# Altium PCB PCB2.PcbDoc (part 12 of 16) (continued)
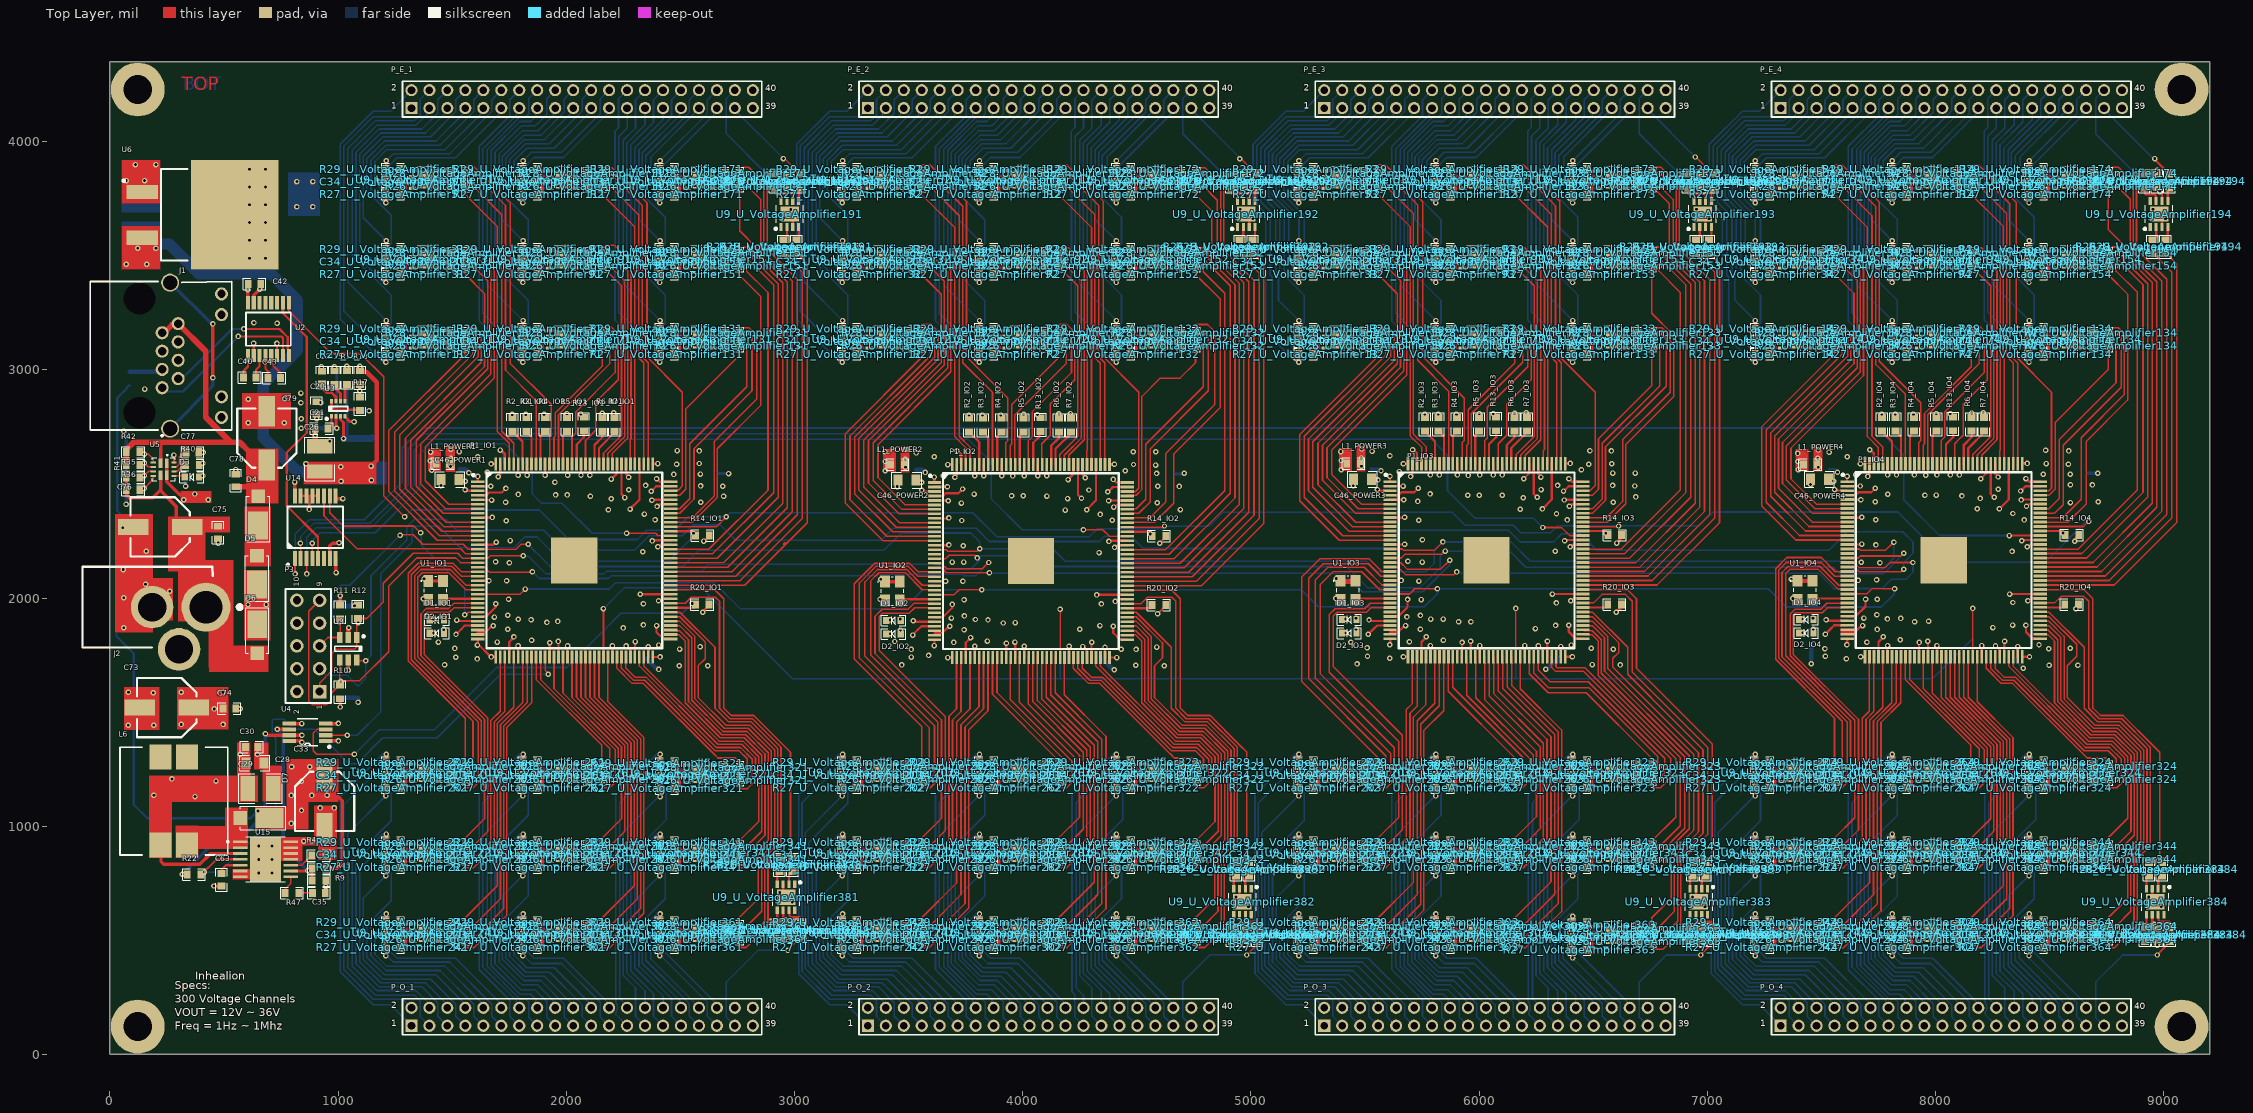
[diagram p0: Top Layer view]
## Nets (pads, with @x,y where several pads share a name; then routed paths per layer and width w, separated by ;. In a path a pad name is that pad's centre, name@x,y a point inside that pad or via, vN(x,y) a via of type N, cw(c..) or ccw(c..) an arc to the next point about the centre after c; other vN are vias at no path point) (continued)
  Bottom Layer w7: v1@1209.63,968.54 1206.38,965.29 1196.03,965.29 1078.3,847.56 1078.3,397.31 1179.54,296.07 1367.52,296.07 1437.07,226.51 1437.07,167.26 P_O_1.5@1478.74,125.59
V_OUT45: P_O_1.6 R27_U_VoltageAmplifier231.2 | length 1049.9
  Bottom Layer w7: R27_U_VoltageAmplifier231.2@1210.09,932 1210.09,929.5 1094.76,814.17 1094.76,405.11 1186.31,313.56 1383.33,313.56 1466.43,230.45 1466.43,229.13 1478.74,216.82 P_O_1.6@1478.74,204.33
V_OUT46: P_O_1.8 R29_U_VoltageAmplifier231.2 | length 982.6
  Bottom Layer w7: R29_U_VoltageAmplifier231.2@1210.09,822 1210.09,819.5 1233.05,796.54 1233.05,673.78 1125.95,566.68 1125.95,425.9 1203.33,348.52 1429.28,348.52 1548.65,229.14 1548.65,213.16 P_O_1.8@1557.48,204.33
V_OUT47: P_O_1.11 R27_U_VoltageAmplifier241.2 | length 700.2
  Top Layer w10: v1(1209.63,432.64) 1209.63,468.72 R27_U_VoltageAmplifier241.2@1210.09,469.18
  Bottom Layer w7: v1@1210.55,435.46 1240.93,405.07 1487.91,405.07 1673.3,219.69 1673.3,167.26 P_O_1.11@1714.96,125.59
V_OUT48: P_O_1.9 R29_U_VoltageAmplifier241.2 | length 905.7
  Top Layer w10: R29_U_VoltageAmplifier241.2@1210.09,579.18 1210.55,579.64 v1(1210.55,615.72)
  Bottom Layer w7: v1@1209.63,618.54 1206.38,615.29 1196.03,615.29 1144.14,563.4 1144.14,432.83 1209.43,367.54 1446.7,367.54 1594.56,219.69 1594.56,167.26 P_O_1.9@1636.22,125.59
V_OUT49: P_O_1.10 R27_U_VoltageAmplifier251.2 | length 744.5
  Bottom Layer w7: R27_U_VoltageAmplifier251.2@1210.09,582 1210.09,579.5 1161.46,530.88 1161.46,438.03 1212.42,387.08 1468.64,387.08 1624.59,231.13 1624.59,228.45 1636.22,216.82 P_O_1.10@1636.22,204.33
V_OUT50: P_O_1.12 R29_U_VoltageAmplifier251.2 | length 627.1
  Bottom Layer w7: R29_U_VoltageAmplifier251.2@1210.09,472 1210.09,469.5 1257.9,421.69 1514.49,421.69 1706.13,230.04 1706.13,213.16 P_O_1.12@1714.96,204.33
V_OUT51: P_O_1.15 R27_U_VoltageAmplifier261.2 | length 1216.5
  Top Layer w10: v1(1809.63,1132.64) 1809.63,1168.72 R27_U_VoltageAmplifier261.2@1810.09,1169.18
  Bottom Layer w7: v1@1810.55,1135.46 1654.17,979.08 1654.17,385.4 1796.31,243.25 1821.41,243.25 1835.37,229.3 1835.37,162.67 P_O_1.15@1872.44,125.59
V_OUT52: P_O_1.13 R29_U_VoltageAmplifier261.2 | length 1387.9
  Top Layer w10: R29_U_VoltageAmplifier261.2@1810.09,1279.18 1810.55,1279.64 v1(1810.55,1315.72)
  Bottom Layer w7: P_O_1.13@1793.7,125.59 1752.04,167.26 1752.04,237.31 1617.95,371.4 1617.95,1137.21 1796.03,1315.29 1806.38,1315.29 v1@1809.63,1318.54
V_OUT53: P_O_1.14 R27_U_VoltageAmplifier271.2 | length 1216.6
  Bottom Layer w7: P_O_1.14@1793.7,204.33 1793.7,216.82 1781.41,229.11 1781.41,235.99 1634.21,383.19 1634.21,1103.62 1810.09,1279.5 R27_U_VoltageAmplifier271.2@1810.09,1282
V_OUT54: P_O_1.16 R29_U_VoltageAmplifier271.2 | length 1145
  Bottom Layer w7: R29_U_VoltageAmplifier271.2@1810.09,1172 1810.09,1169.5 1833.05,1146.54 1833.05,1047.49 1671.17,885.61 1671.17,389.01 1797.02,263.16 1843.69,263.16 1865.44,241.41 P_O_1.16@1865.44,211.33
V_OUT55: P_O_1.19 R27_U_VoltageAmplifier281.2 | length 907.5
  Top Layer w10: v1(1809.63,782.64) 1809.63,818.72 R27_U_VoltageAmplifier281.2@1810.09,819.18
  Bottom Layer w7: v1@1810.55,785.46 1719.17,694.08 1719.17,417.63 1812.88,323.92 1888.55,323.92 1990.07,222.39 1990.07,165.44 P_O_1.19@2029.92,125.59
V_OUT56: P_O_1.17 R29_U_VoltageAmplifier281.2 | length 1081.8
  Top Layer w10: R29_U_VoltageAmplifier281.2@1810.09,929.18 1810.55,929.64 v1(1810.55,965.72)
  Bottom Layer w7: v1@1809.63,968.54 1806.38,965.29 1796.03,965.29 1687.43,856.69 1687.43,397.21 1802.17,282.48 1864.03,282.48 1913.78,232.72 1913.78,163 P_O_1.17@1951.18,125.59
V_OUT57: P_O_1.18 R27_U_VoltageAmplifier291.2 | length 913.3
  Bottom Layer w7: R27_U_VoltageAmplifier291.2@1810.09,932 1810.09,929.5 1705.17,824.58 1705.17,405.23 1806.03,304.37 1874.79,304.37 1943.79,235.37 1943.79,211.72 P_O_1.18@1951.18,204.33
V_OUT58: P_O_1.20 R29_U_VoltageAmplifier291.2 | length 842.6
  Bottom Layer w7: R29_U_VoltageAmplifier291.2@1810.09,822 1810.09,819.5 1833.05,796.54 1833.05,693.81 1734.74,595.51 1734.74,422.67 1815.05,342.36 1904.49,342.36 2017,229.85 2017,229.74 2029.92,216.82 P_O_1.20@2029.92,204.33
V_OUT59: P_O_1.23 R27_U_VoltageAmplifier301.2 | length 579.5
  Top Layer w10: v1(1809.63,432.64) 1809.63,468.72 R27_U_VoltageAmplifier301.2@1810.09,469.18
  Bottom Layer w7: v1@1810.55,435.46 1847.62,398.38 1978.69,398.38 2148.68,228.39 2148.68,164.31 P_O_1.23@2187.4,125.59
V_OUT60: P_O_1.21 R29_U_VoltageAmplifier301.2 | length 769.6
  Top Layer w10: R29_U_VoltageAmplifier301.2@1810.09,579.18 1810.55,579.64 v1(1810.55,615.72)
  Bottom Layer w7: v1@1809.63,618.54 1806.38,615.29 1796.03,615.29 1751,570.26 1751,430.87 1822.13,359.75 1926.94,359.75 2070.58,216.1 2070.58,163.67 P_O_1.21@2108.66,125.59
V_OUT61: P_O_1.22 R27_U_VoltageAmplifier311.2 | length 605.2
  Bottom Layer w7: R27_U_VoltageAmplifier311.2@1810.09,582 1810.09,579.5 1770.59,540 1770.59,435.11 1825.99,379.71 1947.5,379.71 2096.56,230.66 2096.56,228.92 2108.66,216.82 P_O_1.22@2108.66,204.33
V_OUT62: P_O_1.24 R29_U_VoltageAmplifier311.2 | length 499.7
  Bottom Layer w7: R29_U_VoltageAmplifier311.2@1810.09,472 1810.09,469.5 1858.67,420.92 1988,420.92 2178.57,230.35 2178.57,213.16 P_O_1.24@2187.4,204.33
V_OUT63: P_O_1.27 R27_U_VoltageAmplifier321.2 | length 1153.1
  Top Layer w10: v1(2410.8,1129.05) 2410.8,1165.13 R27_U_VoltageAmplifier321.2@2411.26,1165.59
  Bottom Layer w7: P_O_1.27@2344.88,125.59 2303.22,167.26 2303.22,291.39 2249.17,345.44 2249.17,974.08 v1@2410.55,1135.46
V_OUT64: P_O_1.25 R29_U_VoltageAmplifier321.2 | length 1339.6
  Top Layer w10: R29_U_VoltageAmplifier321.2@2410.55,1279.64 v1(2410.55,1315.72) ; R29_U_VoltageAmplifier321.2@2411.26,1275.59 R29_U_VoltageAmplifier321.2@2411.72,1276.05
  Bottom Layer w7: P_O_1.25@2266.14,125.59 2217.32,174.41 2217.32,182.43 ccw(c2187.4,204.33) 2224.48,204.33 ccw(c2179.5,204.33) 2215.79,230.89 2215.79,1135.06 2396.03,1315.29 2406.38,1315.29 v1@2409.63,1318.54
V_OUT65: P_O_1.26 R27_U_VoltageAmplifier331.2 | length 1161.3
  Bottom Layer w7: P_O_1.26@2266.14,204.33 2266.14,212.98 2234.12,245 2234.12,1103.54 R27_U_VoltageAmplifier331.2@2410.09,1279.5
V_OUT66: P_O_1.28 R29_U_VoltageAmplifier331.2 | length 1081.7
  Bottom Layer w7: P_O_1.28@2344.88,204.33 2344.88,277.7 2265.48,357.1 2265.48,856.21 2438.69,1029.42 2438.69,1140.9 R29_U_VoltageAmplifier331.2@2410.09,1169.5
V_OUT67: P_O_1.31 R27_U_VoltageAmplifier341.2 | length 811
  Top Layer w10: v1(2409.63,782.64) 2409.63,818.72 R27_U_VoltageAmplifier341.2@2410.09,819.18
  Bottom Layer w7: v1@2410.55,785.46 2318.31,693.22 2318.31,387.39 2460.7,245 2460.7,167.26 P_O_1.31@2502.36,125.59
V_OUT68: P_O_1.29 R29_U_VoltageAmplifier341.2 | length 996.8
  Top Layer w10: R29_U_VoltageAmplifier341.2@2410.09,929.18 2410.55,929.64 v1(2410.55,965.72)
  Bottom Layer w7: v1@2409.63,968.54 2406.38,965.29 2396.03,965.29 2282.57,851.84 2282.57,365.64 2381.96,266.26 2381.96,167.26 P_O_1.29@2423.62,125.59
V_OUT69: P_O_1.30 R27_U_VoltageAmplifier351.2 | length 824.8
  Bottom Layer w7: R27_U_VoltageAmplifier351.2@2410.09,932 2410.09,929.5 2299.66,819.08 2299.66,379.62 2423.62,255.66 P_O_1.30@2423.62,204.33
V_OUT70: P_O_1.32 R29_U_VoltageAmplifier351.2 | length 739.3
  Bottom Layer w7: R29_U_VoltageAmplifier351.2@2410.09,822 2410.09,819.5 2433.05,796.54 2433.05,682.36 2332.31,581.62 2332.31,399.81 2495.86,236.26 2495.86,210.84 P_O_1.32@2502.36,204.33
V_OUT71: P_O_1.35 R27_U_VoltageAmplifier361.2 | length 449.9
  Top Layer w10: v1(2409.63,432.64) 2409.63,468.72 R27_U_VoltageAmplifier361.2@2410.09,469.18
  Bottom Layer w7: v1@2410.55,435.46 2618.18,227.83 2618.18,167.26 P_O_1.35@2659.84,125.59
V_OUT72: P_O_1.33 R29_U_VoltageAmplifier361.2 | length 657.3
  Top Layer w10: R29_U_VoltageAmplifier361.2@2410.09,579.18 2410.55,579.64 v1(2410.55,615.72)
  Bottom Layer w7: v1@2409.63,618.54 2406.38,615.29 2396.03,615.29 2348.6,567.87 2348.6,413.03 2539.44,222.19 2539.44,167.26 P_O_1.33@2581.1,125.59
V_OUT73: P_O_1.34 R27_U_VoltageAmplifier371.2 | length 481.2
  Bottom Layer w7: R27_U_VoltageAmplifier371.2@2410.09,582 2410.09,579.5 2370.59,540 2370.59,418.24 2581.1,207.72 P_O_1.34@2581.1,204.33
V_OUT74: P_O_1.36 R29_U_VoltageAmplifier371.2 | length 357.4
  Bottom Layer w7: R29_U_VoltageAmplifier371.2@2410.09,472 2410.09,469.5 2651.01,228.57 2651.01,225.65 2656.92,219.74 P_O_1.36@2659.84,219.74
V_OUT75: P_O_1.37 R27_U_VoltageAmplifier381.2 | length 616.6
  Top Layer w7: v1@2971.26,457.09 R27_U_VoltageAmplifier381.2@3028.13,513.96
  Top Layer w10: v1(2971.26,455.59) v1@2971.26,457.09 ; R27_U_VoltageAmplifier381.2@3027.67,514.42 R27_U_VoltageAmplifier381.2@3028.13,513.96
  Bottom Layer w7: P_O_1.37@2738.58,125.59 2701.51,162.67 2701.51,317.16 2839.94,455.59 v1(2971.26,455.59)
V_OUT76: P_E_2.2 R27_U_VoltageAmplifier12.2 | length 1492.2
  Top Layer w10: v1(3209.63,3032.64) 3209.63,3068.72 R27_U_VoltageAmplifier12.2@3210.09,3069.18
  Bottom Layer w7: v1(3209.63,3032.64) 3206.38,3035.89 3196.03,3035.89 3009,3222.92 3009,3988.52 3153.96,4133.48 3229.15,4133.48 P_E_2.2@3321.26,4225.59
V_OUT76_U_VoltageAmplifier_1xFPGA1: R29_U_VoltageAmplifier381.2 | length 0.6
  Top Layer w10: R29_U_VoltageAmplifier381.2@2917.21,514.88 R29_U_VoltageAmplifier381.2@2917.67,514.42
V_OUT76_U_VoltageAmplifier_1xFPGA2: R29_U_VoltageAmplifier382.2 | length 0.6
  Top Layer w10: R29_U_VoltageAmplifier382.2@4917.21,494.88 R29_U_VoltageAmplifier382.2@4917.67,494.42
V_OUT76_U_VoltageAmplifier_1xFPGA3: R29_U_VoltageAmplifier383.2 | length 0.6
  Top Layer w10: R29_U_VoltageAmplifier383.2@6917.21,494.88 R29_U_VoltageAmplifier383.2@6917.67,494.42
V_OUT76_U_VoltageAmplifier_1xFPGA4: R29_U_VoltageAmplifier384.2 | length 0.6
  Top Layer w10: R29_U_VoltageAmplifier384.2@8917.21,494.88 R29_U_VoltageAmplifier384.2@8917.67,494.42
V_OUT77: P_E_2.4 R29_U_VoltageAmplifier12.2 | length 1364.1
  Top Layer w10: R29_U_VoltageAmplifier12.2@3210.09,3179.18 3210.55,3179.64 v1(3210.55,3215.72)
  Bottom Layer w7: v1(3210.55,3215.72) 3042.78,3383.49 3042.78,3971.19 3163.71,4092.12 3334.53,4092.12 3359.19,4116.78 3359.19,4184.78 P_E_2.4@3400,4225.59
V_OUT78: P_E_2.3 R27_U_VoltageAmplifier22.2 | length 1289.1
  Bottom Layer w7: R27_U_VoltageAmplifier22.2@3210.09,3179.18 3210.09,3181.68 3233.05,3204.64 3233.05,3327.4 3060.97,3499.47 3060.97,3962.66 3169.36,4071.05 3340.45,4071.05 3391.17,4121.76 3391.17,4138.02 P_E_2.3@3400,4146.85
V_OUT79: P_E_2.1 R29_U_VoltageAmplifier22.2 | length 1352.6
  Bottom Layer w7: R29_U_VoltageAmplifier22.2@3210.09,3069.18 3210.09,3071.68 3025.46,3256.31 3025.46,3980.72 3154.34,4109.61 3284.01,4109.61 P_E_2.1@3321.26,4146.85
V_OUT80: P_E_2.6 R27_U_VoltageAmplifier32.2 | length 1216.1
  Top Layer w10: v1(3209.63,3382.64) 3209.63,3418.72 R27_U_VoltageAmplifier32.2@3210.09,3419.18
  Bottom Layer w7: v1(3209.63,3382.64) 3206.38,3385.89 3196.03,3385.89 3078.3,3503.62 3078.3,3953.87 3179.54,4055.11 3367.52,4055.11 3437.07,4124.67 3437.07,4183.93 P_E_2.6@3478.74,4225.59
V_OUT81: P_E_2.8 R29_U_VoltageAmplifier32.2 | length 1046.1
  Top Layer w10: R29_U_VoltageAmplifier32.2@3210.09,3529.18 3210.55,3529.64 v1(3210.55,3565.72)
  Bottom Layer w7: v1(3210.55,3565.72) 3110.35,3665.91 3110.35,3935.68 3196.37,4021.69 3406.01,4021.69 3515.81,4131.49 3515.81,4183.93 P_E_2.8@3557.48,4225.59
V_OUT82: P_E_2.7 R27_U_VoltageAmplifier42.2 | length 982.6
  Bottom Layer w7: R27_U_VoltageAmplifier42.2@3210.09,3529.18 3210.09,3531.68 3233.05,3554.64 3233.05,3677.4 3125.95,3784.5 3125.95,3925.28 3203.33,4002.66 3429.28,4002.66 3548.65,4122.04 3548.65,4138.02 P_E_2.7@3557.48,4146.85
V_OUT83: P_E_2.5 R29_U_VoltageAmplifier42.2 | length 1049.9
  Bottom Layer w7: R29_U_VoltageAmplifier42.2@3210.09,3419.18 3210.09,3421.68 3094.76,3537.01 3094.76,3946.07 3186.32,4037.63 3383.33,4037.63 3466.43,4120.73 3466.43,4122.05 3478.74,4134.36 P_E_2.5@3478.74,4146.85
V_OUT84: P_E_2.10 R27_U_VoltageAmplifier52.2 | length 905.7
  Top Layer w10: v1(3209.63,3732.64) 3209.63,3768.72 R27_U_VoltageAmplifier52.2@3210.09,3769.18
  Bottom Layer w7: v1(3209.63,3732.64) 3206.38,3735.89 3196.03,3735.89 3144.14,3787.78 3144.14,3918.35 3209.43,3983.64 3446.7,3983.64 3594.56,4131.49 3594.56,4183.93 P_E_2.10@3636.22,4225.59
V_OUT85: P_E_2.12 R29_U_VoltageAmplifier52.2 | length 700.2
  Top Layer w10: R29_U_VoltageAmplifier52.2@3210.09,3879.18 3210.55,3879.64 v1(3210.55,3915.72)
  Bottom Layer w7: v1(3210.55,3915.72) 3240.93,3946.11 3487.91,3946.11 3673.3,4131.49 3673.3,4183.93 P_E_2.12@3714.96,4225.59
V_OUT86: P_E_2.11 R27_U_VoltageAmplifier62.2 | length 627.1
  Bottom Layer w7: R27_U_VoltageAmplifier62.2@3210.09,3879.18 3210.09,3881.68 3257.9,3929.5 3514.49,3929.5 3706.13,4121.14 3706.13,4138.02 P_E_2.11@3714.96,4146.85
V_OUT87: P_E_2.9 R29_U_VoltageAmplifier62.2 | length 744.5
  Bottom Layer w7: R29_U_VoltageAmplifier62.2@3210.09,3769.18 3210.09,3771.68 3161.46,3820.3 3161.46,3913.15 3212.42,3964.11 3468.64,3964.11 3624.59,4120.05 3624.59,4122.73 3636.22,4134.36 P_E_2.9@3636.22,4146.85
V_OUT88: P_E_2.14 R27_U_VoltageAmplifier72.2 | length 1387.9
  Top Layer w10: v1(3809.63,3032.64) 3809.63,3068.72 R27_U_VoltageAmplifier72.2@3810.09,3069.18
  Bottom Layer w7: P_E_2.14@3793.7,4225.59 3752.04,4183.93 3752.04,4113.87 3617.95,3979.78 3617.95,3213.97 3796.03,3035.89 3806.38,3035.89 v1(3809.63,3032.64)
V_OUT89: P_E_2.16 R29_U_VoltageAmplifier72.2 | length 1216.5
  Top Layer w10: R29_U_VoltageAmplifier72.2@3810.09,3179.18 3810.55,3179.64 v1(3810.55,3215.72)
  Bottom Layer w7: v1(3810.55,3215.72) 3654.17,3372.1 3654.17,3965.78 3796.31,4107.93 3821.41,4107.93 3835.37,4121.88 3835.37,4188.52 P_E_2.16@3872.44,4225.59
V_OUT90: P_E_2.15 R27_U_VoltageAmplifier82.2 | length 1145
  Bottom Layer w7: R27_U_VoltageAmplifier82.2@3810.09,3179.18 3810.09,3181.68 3833.05,3204.64 3833.05,3303.7 3671.17,3465.57 3671.17,3962.17 3797.02,4088.02 3843.69,4088.02 3865.44,4109.78 P_E_2.15@3865.44,4139.85
V_OUT91: P_E_2.13 R29_U_VoltageAmplifier82.2 | length 1216.6
  Bottom Layer w7: P_E_2.13@3793.7,4146.85 3793.7,4134.36 3781.41,4122.07 3781.41,4115.19 3634.21,3967.99 3634.21,3247.56 3810.09,3071.68 R29_U_VoltageAmplifier82.2@3810.09,3069.18
V_OUT92: P_E_2.18 R27_U_VoltageAmplifier92.2 | length 1081.8
  Top Layer w10: v1(3809.63,3382.64) 3809.63,3418.72 R27_U_VoltageAmplifier92.2@3810.09,3419.18
  Bottom Layer w7: v1(3809.63,3382.64) 3806.38,3385.89 3796.03,3385.89 3687.43,3494.49 3687.43,3953.97 3802.17,4068.71 3864.03,4068.71 3913.78,4118.46 3913.78,4188.19 P_E_2.18@3951.18,4225.59
V_OUT93: P_E_2.20 R29_U_VoltageAmplifier92.2 | length 907.5
  Top Layer w10: R29_U_VoltageAmplifier92.2@3810.09,3529.18 3810.55,3529.64 v1(3810.55,3565.72)
  Bottom Layer w7: v1(3810.55,3565.72) 3719.17,3657.1 3719.17,3933.55 3812.88,4027.26 3888.55,4027.26 3990.07,4128.79 3990.07,4185.74 P_E_2.20@4029.92,4225.59
V_OUT94: P_E_2.19 R27_U_VoltageAmplifier102.2 | length 842.6
  Bottom Layer w7: R27_U_VoltageAmplifier102.2@3810.09,3529.18 3810.09,3531.68 3833.05,3554.64 3833.05,3657.37 3734.74,3755.68 3734.74,3928.51 3815.05,4008.82 3904.49,4008.82 4017,4121.34 4017,4121.45 4029.92,4134.36 P_E_2.19@4029.92,4146.85
V_OUT95: P_E_2.17 R29_U_VoltageAmplifier102.2 | length 913.3
  Bottom Layer w7: R29_U_VoltageAmplifier102.2@3810.09,3419.18 3810.09,3421.68 3705.17,3526.6 3705.17,3945.95 3806.03,4046.81 3874.79,4046.81 3943.79,4115.81 3943.79,4139.46 P_E_2.17@3951.18,4146.85
V_OUT96: P_E_2.22 R27_U_VoltageAmplifier112.2 | length 769.6
  Top Layer w10: v1(3809.63,3732.64) 3809.63,3768.72 R27_U_VoltageAmplifier112.2@3810.09,3769.18
  Bottom Layer w7: v1(3809.63,3732.64) 3806.38,3735.89 3796.03,3735.89 3751,3780.92 3751,3920.31 3822.13,3991.43 3926.94,3991.43 4070.58,4135.08 4070.58,4187.51 P_E_2.22@4108.66,4225.59
V_OUT97: P_E_2.24 R29_U_VoltageAmplifier112.2 | length 579.5
  Top Layer w10: R29_U_VoltageAmplifier112.2@3810.09,3879.18 3810.55,3879.64 v1(3810.55,3915.72)
  Bottom Layer w7: v1(3810.55,3915.72) 3847.62,3952.8 3978.69,3952.8 4148.68,4122.79 4148.68,4186.87 P_E_2.24@4187.4,4225.59
V_OUT98: P_E_2.23 R27_U_VoltageAmplifier122.2 | length 499.7
  Bottom Layer w7: R27_U_VoltageAmplifier122.2@3810.09,3879.18 3810.09,3881.68 3858.67,3930.26 3988,3930.26 4178.57,4120.83 4178.57,4138.02 P_E_2.23@4187.4,4146.85
V_OUT99: P_E_2.21 R29_U_VoltageAmplifier122.2 | length 605.2
  Bottom Layer w7: R29_U_VoltageAmplifier122.2@3810.09,3769.18 3810.09,3771.68 3770.59,3811.18 3770.59,3916.07 3825.99,3971.47 3947.5,3971.47 4096.56,4120.52 4096.56,4122.26 4108.66,4134.36 P_E_2.21@4108.66,4146.85
V_OUT100: P_E_2.26 R27_U_VoltageAmplifier132.2 | length 1339
  Top Layer w10: v1(4409.63,3032.64) 4409.63,3068.72 R27_U_VoltageAmplifier132.2@4410.09,3069.18
  Bottom Layer w7: P_E_2.26@4266.14,4225.59 4229.07,4188.52 4229.07,4061.79 4213.43,4046.15 4213.43,3871.66 4213.59,3871.5 4213.59,3445.86 4213.43,3445.71 4213.43,3218.49 4396.03,3035.89 4406.38,3035.89 v1(4409.63,3032.64)
V_OUT101: P_E_2.28 R29_U_VoltageAmplifier132.2 | length 1153.1
  Top Layer w10: R29_U_VoltageAmplifier132.2@4410.09,3179.18 4410.55,3179.64 v1(4410.55,3215.72)
  Bottom Layer w7: P_E_2.28@4344.88,4225.59 4303.22,4183.93 4303.22,4059.79 4249.17,4005.74 4249.17,3377.1 v1(4410.55,3215.72)
V_OUT102: P_E_2.27 R27_U_VoltageAmplifier142.2 | length 1079.5
  Bottom Layer w7: P_E_2.27@4344.88,4146.85 4344.88,4073.49 4265.48,3994.09 4265.48,3494.97 4433.05,3327.4 4433.05,3204.64 4410.09,3181.68 R27_U_VoltageAmplifier142.2@4410.09,3179.18
V_OUT103: P_E_2.25 R29_U_VoltageAmplifier142.2 | length 1167.4
  Bottom Layer w7: P_E_2.25@4266.14,4146.85 4266.14,4059.71 4229.74,4023.31 4229.74,3252.02 4410.09,3071.68 R29_U_VoltageAmplifier142.2@4410.09,3069.18
V_OUT104: P_E_2.30 R27_U_VoltageAmplifier152.2 | length 996.8
  Top Layer w10: v1(4409.63,3382.64) 4409.63,3418.72 R27_U_VoltageAmplifier152.2@4410.09,3419.18
  Bottom Layer w7: v1(4409.63,3382.64) 4406.38,3385.89 4396.03,3385.89 4282.57,3499.35 4282.57,3985.54 4381.96,4084.93 4381.96,4183.93 P_E_2.30@4423.62,4225.59
V_OUT105: P_E_2.32 R29_U_VoltageAmplifier152.2 | length 811
  Top Layer w10: R29_U_VoltageAmplifier152.2@4410.09,3529.18 4410.55,3529.64 v1(4410.55,3565.72)
  Bottom Layer w7: v1(4410.55,3565.72) 4318.31,3657.96 4318.31,3963.79 4460.7,4106.18 4460.7,4183.93 P_E_2.32@4502.36,4225.59
V_OUT106: P_E_2.31 R27_U_VoltageAmplifier162.2 | length 739.3
  Bottom Layer w7: R27_U_VoltageAmplifier162.2@4410.09,3529.18 4410.09,3531.68 4433.05,3554.64 4433.05,3668.82 4332.31,3769.56 4332.31,3951.38 4495.86,4114.93 4495.86,4140.34 P_E_2.31@4502.36,4146.85
V_OUT107: P_E_2.29 R29_U_VoltageAmplifier162.2 | length 824.8
  Bottom Layer w7: R29_U_VoltageAmplifier162.2@4410.09,3419.18 4410.09,3421.68 4299.66,3532.1 4299.66,3971.56 4423.62,4095.52 P_E_2.29@4423.62,4146.85
V_OUT108: P_E_2.34 R27_U_VoltageAmplifier172.2 | length 657.3
  Top Layer w10: v1(4409.63,3732.64) 4409.63,3768.72 R27_U_VoltageAmplifier172.2@4410.09,3769.18
  Bottom Layer w7: v1(4409.63,3732.64) 4406.38,3735.89 4396.03,3735.89 4348.6,3783.31 4348.6,3938.15 4539.44,4128.99 4539.44,4183.93 P_E_2.34@4581.1,4225.59
V_OUT109: P_E_2.36 R29_U_VoltageAmplifier172.2 | length 449.9
  Top Layer w10: R29_U_VoltageAmplifier172.2@4410.09,3879.18 4410.55,3879.64 v1(4410.55,3915.72)
  Bottom Layer w7: v1(4410.55,3915.72) 4618.18,4123.35 4618.18,4183.93 P_E_2.36@4659.84,4225.59
V_OUT110: P_E_2.35 R27_U_VoltageAmplifier182.2 | length 357.4
  Bottom Layer w7: R27_U_VoltageAmplifier182.2@4410.09,3879.18 4410.09,3881.68 4651.01,4122.61 4651.01,4125.53 4656.92,4131.44 P_E_2.35@4659.84,4131.44
V_OUT111: P_E_2.33 R29_U_VoltageAmplifier182.2 | length 481.2
  Bottom Layer w7: R29_U_VoltageAmplifier182.2@4410.09,3769.18 4410.09,3771.68 4370.59,3811.18 4370.59,3932.95 4581.1,4143.46 P_E_2.33@4581.1,4146.85
V_OUT112: P_E_2.38 R27_U_VoltageAmplifier192.2 | length 493.7
  Top Layer w10: v1(4878.31,3857.22) 4914.39,3857.22 R27_U_VoltageAmplifier192.2@4914.85,3856.76
  Bottom Layer w7: P_E_2.38@4738.58,4225.59 4701.51,4188.52 4701.51,4034.02 v1(4878.31,3857.22)
V_OUT113: P_E_2.37 R29_U_VoltageAmplifier192.2 | length 407.7
  Top Layer w7: v1(4950.61,3924.73) 4956.89,3924.73 R29_U_VoltageAmplifier192.2@5024.85,3856.76
  Bottom Layer w7: P_E_2.37@4738.58,4146.85 4738.58,4141.36 4947.36,3932.58 v1@4950.58,3929.36
V_OUT114: P_O_2.3 R27_U_VoltageAmplifier202.2 | length 1360.6
  Top Layer w10: v1(3209.63,1132.64) 3209.63,1168.72 R27_U_VoltageAmplifier202.2@3210.09,1169.18
  Bottom Layer w7: v1@3210.55,1135.46 3047.82,972.73 3047.82,858.35 3046.97,857.51 3046.97,382.73 3047.82,381.88 3047.82,374.95 3163.71,259.06 3334.53,259.06 3359.19,234.4 3359.19,166.4 P_O_2.3@3400,125.59
V_OUT115: P_O_2.1 R29_U_VoltageAmplifier202.2 | length 1484.8
  Top Layer w10: R29_U_VoltageAmplifier202.2@3210.09,1279.18 3210.55,1279.64 v1(3210.55,1315.72)
  Bottom Layer w7: v1@3209.63,1318.54 3206.38,1315.29 3196.03,1315.29 3017.93,1137.2 3017.93,353.72 3153.96,217.7 3229.15,217.7 P_O_2.1@3321.26,125.59
V_OUT116: P_O_2.2 R27_U_VoltageAmplifier212.2 | length 1344
  Bottom Layer w7: R27_U_VoltageAmplifier212.2@3210.09,1279.5 3032.88,1102.29 3032.88,363.04 3154.34,241.58 3284.01,241.58 P_O_2.2@3321.26,204.33
V_OUT117: P_O_2.4 R29_U_VoltageAmplifier212.2 | length 1286.6
  Bottom Layer w7: R29_U_VoltageAmplifier212.2@3210.09,1169.5 3233.05,1146.54 3233.05,1100.02 3061.82,928.79 3061.82,852.55 3060.97,851.71 3060.97,388.53 3169.36,280.14 3340.45,280.14 3391.17,229.42 3391.17,213.16 P_O_2.4@3400,204.33
V_OUT118: P_O_2.7 R27_U_VoltageAmplifier222.2 | length 1046.1
  Top Layer w10: v1(3209.63,782.64) 3209.63,818.72 R27_U_VoltageAmplifier222.2@3210.09,819.18
  Bottom Layer w7: v1@3210.55,785.46 3110.35,685.27 3110.35,415.51 3196.37,329.49 3406.01,329.49 3515.81,219.69 3515.81,167.26 P_O_2.7@3557.48,125.59
V_OUT119: P_O_2.5 R29_U_VoltageAmplifier222.2 | length 1216.1
  Top Layer w10: R29_U_VoltageAmplifier222.2@3210.09,929.18 3210.55,929.64 v1(3210.55,965.72)
  Bottom Layer w7: v1@3209.63,968.54 3206.38,965.29 3196.03,965.29 3078.3,847.56 3078.3,397.31 3179.54,296.07 3367.52,296.07 3437.07,226.51 3437.07,167.26 P_O_2.5@3478.74,125.59
V_OUT120: P_O_2.6 R27_U_VoltageAmplifier232.2 | length 1049.9
  Bottom Layer w7: R27_U_VoltageAmplifier232.2@3210.09,932 3210.09,929.5 3094.76,814.17 3094.76,405.11 3186.32,313.56 3383.33,313.56 3466.43,230.45 3466.43,229.13 3478.74,216.82 P_O_2.6@3478.74,204.33
V_OUT121: P_O_2.8 R29_U_VoltageAmplifier232.2 | length 982.6
  Bottom Layer w7: R29_U_VoltageAmplifier232.2@3210.09,822 3210.09,819.5 3233.05,796.54 3233.05,673.78 3125.95,566.68 3125.95,425.9 3203.33,348.52 3429.28,348.52 3548.65,229.14 3548.65,213.16 P_O_2.8@3557.48,204.33
V_OUT122: P_O_2.11 R27_U_VoltageAmplifier242.2 | length 700.2
  Top Layer w10: v1(3209.63,432.64) 3209.63,468.72 R27_U_VoltageAmplifier242.2@3210.09,469.18
  Bottom Layer w7: v1@3210.55,435.46 3240.93,405.07 3487.91,405.07 3673.3,219.69 3673.3,167.26 P_O_2.11@3714.96,125.59
V_OUT123: P_O_2.9 R29_U_VoltageAmplifier242.2 | length 905.7
  Top Layer w10: R29_U_VoltageAmplifier242.2@3210.09,579.18 3210.55,579.64 v1(3210.55,615.72)
  Bottom Layer w7: v1@3209.63,618.54 3206.38,615.29 3196.03,615.29 3144.14,563.4 3144.14,432.83 3209.43,367.54 3446.7,367.54 3594.56,219.69 3594.56,167.26 P_O_2.9@3636.22,125.59
V_OUT124: P_O_2.10 R27_U_VoltageAmplifier252.2 | length 744.5
  Bottom Layer w7: R27_U_VoltageAmplifier252.2@3210.09,582 3210.09,579.5 3161.46,530.88 3161.46,438.03 3212.42,387.08 3468.64,387.08 3624.59,231.13 3624.59,228.45 3636.22,216.82 P_O_2.10@3636.22,204.33
V_OUT125: P_O_2.12 R29_U_VoltageAmplifier252.2 | length 627.1
  Bottom Layer w7: R29_U_VoltageAmplifier252.2@3210.09,472 3210.09,469.5 3257.9,421.69 3514.49,421.69 3706.13,230.04 3706.13,213.16 P_O_2.12@3714.96,204.33
V_OUT126: P_O_2.15 R27_U_VoltageAmplifier262.2 | length 1216.5
  Top Layer w10: v1(3809.63,1132.64) 3809.63,1168.72 R27_U_VoltageAmplifier262.2@3810.09,1169.18
  Bottom Layer w7: v1@3810.55,1135.46 3654.17,979.08 3654.17,385.4 3796.31,243.25 3821.41,243.25 3835.37,229.3 3835.37,162.67 P_O_2.15@3872.44,125.59
V_OUT127: P_O_2.13 R29_U_VoltageAmplifier262.2 | length 1387.9
  Top Layer w10: R29_U_VoltageAmplifier262.2@3810.09,1279.18 3810.55,1279.64 v1(3810.55,1315.72)
  Bottom Layer w7: P_O_2.13@3793.7,125.59 3752.04,167.26 3752.04,237.31 3617.95,371.4 3617.95,1137.21 3796.03,1315.29 3806.38,1315.29 v1@3809.63,1318.54
V_OUT128: P_O_2.14 R27_U_VoltageAmplifier272.2 | length 1216.6
  Bottom Layer w7: P_O_2.14@3793.7,204.33 3793.7,216.82 3781.41,229.11 3781.41,235.99 3634.21,383.19 3634.21,1103.62 3810.09,1279.5 R27_U_VoltageAmplifier272.2@3810.09,1282
V_OUT129: P_O_2.16 R29_U_VoltageAmplifier272.2 | length 1145
  Bottom Layer w7: R29_U_VoltageAmplifier272.2@3810.09,1172 3810.09,1169.5 3833.05,1146.54 3833.05,1047.49 3671.17,885.61 3671.17,389.01 3797.02,263.16 3843.69,263.16 3865.44,241.41 P_O_2.16@3865.44,211.33
V_OUT130: P_O_2.19 R27_U_VoltageAmplifier282.2 | length 907.5
  Top Layer w10: v1(3809.63,782.64) 3809.63,818.72 R27_U_VoltageAmplifier282.2@3810.09,819.18
  Bottom Layer w7: v1@3810.55,785.46 3719.17,694.08 3719.17,417.63 3812.88,323.92 3888.55,323.92 3990.07,222.39 3990.07,165.44 P_O_2.19@4029.92,125.59
V_OUT131: P_O_2.17 R29_U_VoltageAmplifier282.2 | length 1081.8
  Top Layer w10: R29_U_VoltageAmplifier282.2@3810.09,929.18 3810.55,929.64 v1(3810.55,965.72)
  Bottom Layer w7: v1@3809.63,968.54 3806.38,965.29 3796.03,965.29 3687.43,856.69 3687.43,397.21 3802.17,282.48 3864.03,282.48 3913.78,232.72 3913.78,163 P_O_2.17@3951.18,125.59
V_OUT132: P_O_2.18 R27_U_VoltageAmplifier292.2 | length 913.3
  Bottom Layer w7: R27_U_VoltageAmplifier292.2@3810.09,932 3810.09,929.5 3705.17,824.58 3705.17,405.23 3806.03,304.37 3874.79,304.37 3943.79,235.37 3943.79,211.72 P_O_2.18@3951.18,204.33
V_OUT133: P_O_2.20 R29_U_VoltageAmplifier292.2 | length 842.6
  Bottom Layer w7: R29_U_VoltageAmplifier292.2@3810.09,822 3810.09,819.5 3833.05,796.54 3833.05,693.81 3734.74,595.51 3734.74,422.67 3815.05,342.36 3904.49,342.36 4017,229.85 4017,229.74 4029.92,216.82 P_O_2.20@4029.92,204.33
V_OUT134: P_O_2.23 R27_U_VoltageAmplifier302.2 | length 579.5
  Top Layer w10: v1(3809.63,432.64) 3809.63,468.72 R27_U_VoltageAmplifier302.2@3810.09,469.18
  Bottom Layer w7: v1@3810.55,435.46 3847.62,398.38 3978.69,398.38 4148.68,228.39 4148.68,164.31 P_O_2.23@4187.4,125.59
V_OUT135: P_O_2.21 R29_U_VoltageAmplifier302.2 | length 769.6
  Top Layer w10: R29_U_VoltageAmplifier302.2@3810.09,579.18 3810.55,579.64 v1(3810.55,615.72)
  Bottom Layer w7: v1@3809.63,618.54 3806.38,615.29 3796.03,615.29 3751,570.26 3751,430.87 3822.13,359.75 3926.94,359.75 4070.58,216.1 4070.58,163.67 P_O_2.21@4108.66,125.59
V_OUT136: P_O_2.22 R27_U_VoltageAmplifier312.2 | length 605.2
  Bottom Layer w7: R27_U_VoltageAmplifier312.2@3810.09,582 3810.09,579.5 3770.59,540 3770.59,435.11 3825.99,379.71 3947.5,379.71 4096.56,230.66 4096.56,228.92 4108.66,216.82 P_O_2.22@4108.66,204.33
V_OUT137: P_O_2.24 R29_U_VoltageAmplifier312.2 | length 499.7
  Bottom Layer w7: R29_U_VoltageAmplifier312.2@3810.09,472 3810.09,469.5 3858.67,420.92 3988,420.92 4178.57,230.35 4178.57,213.16 P_O_2.24@4187.4,204.33
V_OUT138: P_O_2.27 R27_U_VoltageAmplifier322.2 | length 1153.1
  Top Layer w10: v1(4409.63,1132.64) 4409.63,1168.72 R27_U_VoltageAmplifier322.2@4410.09,1169.18
  Bottom Layer w7: P_O_2.27@4344.88,125.59 4303.22,167.26 4303.22,291.39 4249.17,345.44 4249.17,974.08 v1@4410.55,1135.46